# Altium PCB PCB_Smart_Door_Quach_Trung_An.PcbDoc
Units mil, origin at the board's own origin, x right, y up, seen from the top; angles counter-clockwise.
Board outline 4570.03 x 3120.03 mil, 2 copper layers (Top Layer, Bottom Layer); 52 components, 41 nets, 172 pads, 1 vias.
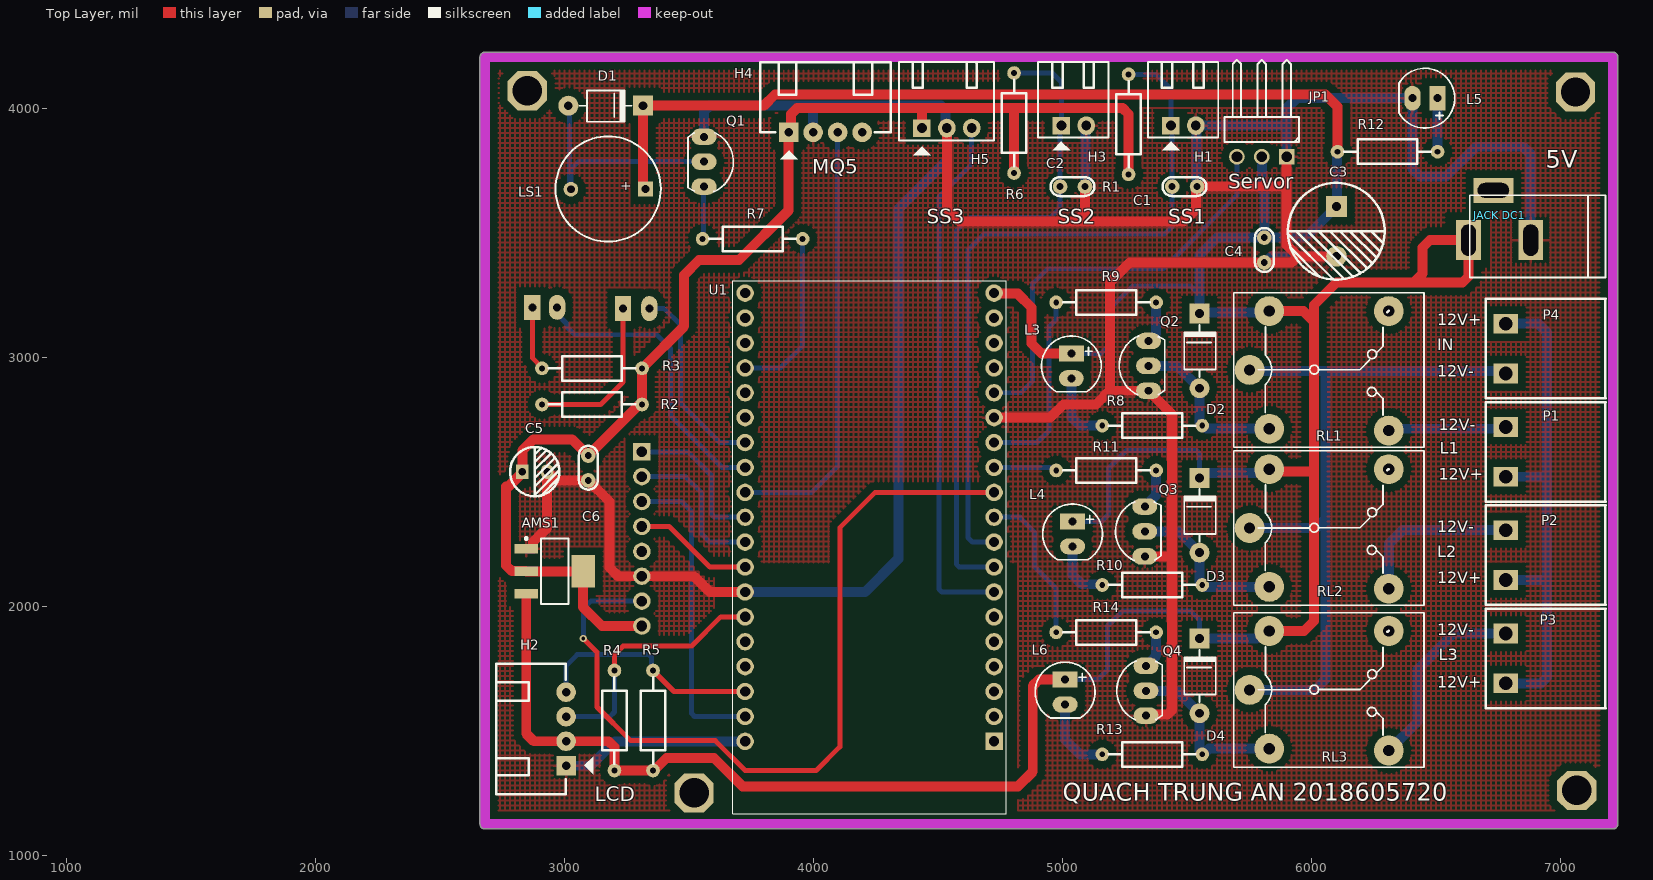
[diagram p0: Top Layer view]
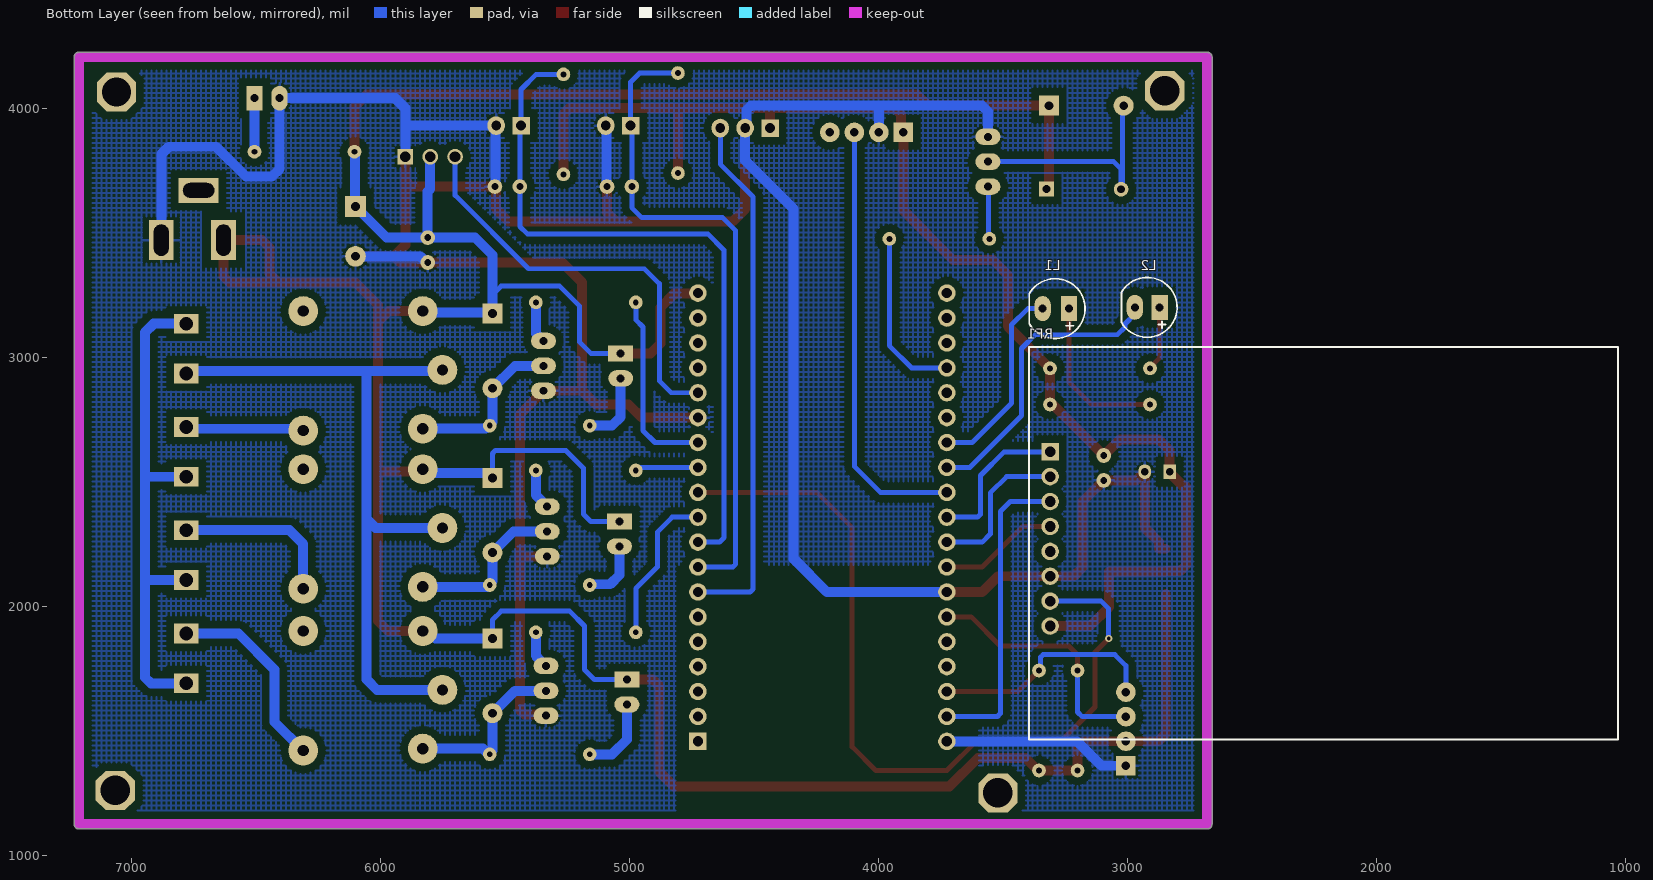
[diagram p1: Bottom Layer view, seen from below]

## Layer stack, top to bottom
Top Solder: solder mask 0.4, Solder Resist, Dk 3.5
Top Layer: signal copper 1.4
Dielectric 1: dielectric 12.6, FR-4, Dk 4.8
Bottom Layer: signal copper 1.4
Bottom Solder: solder mask 0.4, Solder Resist, Dk 3.5

## Board outline
2659.99,1125 2659.98,4205 cw(c2680,4205) 2680,4225.02 7210,4225.02 cw(c7210,4205) 7230.02,4205 7230.02,1125 cw(c7210,1125) 7210,1104.98 2680,1104.98 cw(c2680,1125)

## Design rules (kind name [scope] priority, off if disabled: settings)
Clearance pOLYGON [All vs InPolygon] p1: gap=30 ignorepadtopadclearanceinfootprint=FALSE
Clearance [All] p2: gap=8 ignorepadtopadclearanceinfootprint=FALSE
PolygonConnect [All] p1: connectstyle=Relief reliefconductorwidth=10 reliefentries=4 polygonreliefangle="90 Angle" airgapwidth=10
RoutingVias [All] p1: holewidth=28 width=50 viastyle="Through Hole" minholewidth=10 minwidth=20 maxholewidth=15 maxwidth=30
SolderMaskExpansion [All] p1: expansion=4 istentingtop=FALSE
Width [All] p1: maxlimit=40 minlimit=10 preferedwidth=20
30 further rules are at their usual default settings.

## Components (designator, comment, footprint, x,y, rotation, side; value= is the part's Value field where it differs from the comment)
AMS1 "AMS1117-3.3V" SOT223 2960,2140 r270 top value="AMS1117-3.3V SOT223"
C1 "104" "tu gom" 5490,3685 r0 top
C2 "104" "tu gom" 5040,3685 r0 top
C3 "1500uF" "tu hoa 10mm" 6100,3505 r270 top
C4 "104" "tu gom" 5810,3430 r270 top
C5 "100uF" "tu hoa 5mm" 2880,2540 r0 top
C6 "104" "tu gom" 3095,2555 r270 top
D1 "100v" "DIODE 1A" 2965,4010 r180 top
D2 "100v" "DIODE 1A" 5550,2825 r270 top
D3 "100v" "DIODE 1A" 5550,2165 r270 top
D4 "100v" "DIODE 1A" 5550,1520 r270 top
H1 "Header 2P 2.54 Duc Cong" "Header 2P DC 2.54" 5435,3930 r90 top
H2 "Header 4P 2.54 Duc Cong" "Header 4P DC 2.54" 3005,1360 r180 top
H3 "Header 2P 2.54 Duc Cong" "Header 2P DC 2.54" 4995,3930 r90 top
H4 "Header 4P 2.54 Duc Cong" "Header 4P DC 2.54" 3900.72,3904 r90 top
H5 "Header 3P 2.54 Duc Cong" "Header 3P DC 2.54" 4435,3920 r90 top
"JACK DC1" "JACK DC 5.5" "JACK DC 5.5" 6755,3570 r180 top value="Jac DC"
JP1 "JP 1x3 2.54" "JP 1x3 DC" 5650,3905 r180 top
L1 "LED 5mm" LED-5MM-Green 3240,3195 r0 bottom
L2 "LED 5mm" LED-5MM-RED 2870,3200 r0 bottom
L3 "LED 5mm" LED-5MM-RED 5035,3015 r270 top
L4 "LED 5mm" LED-5MM-RED 5040,2340 r270 top
L5 "LED 5mm" LED-5MM-RED 6505,4040 r180 top
L6 "LED 5mm" LED-5MM-RED 5010,1705 r270 top
LS1 "Coi Chip Speaker" "Coi Chip Speacker" 3325,3675 r180 top
P1 "CON 2 EDG5.08" "CON 2 2EDG5.08" 6780,2719.66 r270 top
P2 "CON 2 EDG5.08" "CON 2 2EDG5.08" 6780,2304.83 r270 top
P3 "CON 2 EDG5.08" "CON 2 2EDG5.08" 6780,1890 r270 top
P4 "CON 2 EDG5.08" "CON 2 2EDG5.08" 6780,3134.48 r270 top
Q1 "C1815" TO92 3560,3785 r270 top value=C9014
Q2 "C1815" TO92 5345,2965 r90 top value=C9014
Q3 "C1815" TO92 5330,2300 r90 top value=C9014
Q4 "C1815" TO92 5335,1660 r90 top value=C9014
R1 "10k" "tro vach 1/4w" 5265,3935 r90 top
R2 "220R" "tro vach 1/4w" 3110,2810 r180 top
R3 "220R" "tro vach 1/4w" 3110,2955 r180 top
R4 "10k" "tro vach 1/4w" 3200,1540.79 r90 top
R5 "10k" "tro vach 1/4w" 3355,1540.79 r90 top
R6 "10k" "tro vach 1/4w" 4805,3940 r90 top
R7 "220R" "tro vach 1/4w" 3755,3475 r180 top
R8 "220R" "tro vach 1/4w" 5360,2725 r180 top
R9 "220R" "tro vach 1/4w" 5175,3220 r0 top
R10 "220R" "tro vach 1/4w" 5360,2085 r180 top
R11 "220R" "tro vach 1/4w" 5175,2545 r0 top
R12 "220R" "tro vach 1/4w" 6305,3825 r0 top
R13 "220R" "tro vach 1/4w" 5360,1405 r180 top
R14 "220R" "tro vach 1/4w" 5175,1895 r0 top
RF1 "MOD RFID RC522" "MOD RFID RC522" 3310,2620 r270 bottom
RL1 "Relay" "Relay 5 Chan SRD" 5750.94,2948.78 r0 top
RL2 "Relay" "Relay 5 Chan SRD" 5750.94,2313.78 r0 top
RL3 "Relay" "Relay 5 Chan SRD" 5750.94,1663.78 r0 top
U1 "ESP32-DEVKITC-32D" MODULE_ESP32-DEVKITC-32D 4225,2235 r180 top

## Footprints (in the part's own frame and the unit in brackets; to place one, negate y for a bottom-side part, rotate by r counter-clockwise, add the part's x,y. Pads: shape width x height; smd on the part's side, far side on the other; paste and mask are expansions set on the pad)
"Coi Chip Speacker" [mm]
  rect 1.5x1.5 hole 0.8: 1(0,0)
  round 1.5 hole 0.8: 2(7.62,0.013)
  silkscreen extent -1.55,-5.38 9.18,5.36, body extent -2.22,-6 13.24,6, height 4.5
"CON 2 2EDG5.08" [mm]
  rect 2x2.5 hole 1.4: 1(0,0) 2(5.08,0)
  silkscreen extent -2.54,-2.03 7.62,10.21, body extent -2.5,-1.75 7.58,10.25, height 3.15
"DIODE 1A" [mil] "Diode 1A"
  round 80 hole 35: 1(-50,0)
  rect 80x80 hole 35: 2(-350,0)
  silkscreen extent -305,-61 -95,65, body extent -366,-61 -34,65, height 122
"Header 2P DC 2.54" [mil]
  rect 70x70 hole 39.37 unplated: 1(0,0)
  oval 75x70 hole 39.37 unplated: 2(0,-100)
  silkscreen extent -100,-190 255,93, body extent -50,-190 250,90, height 237
"Header 3P DC 2.54" [mil]
  rect 70x70 hole 39.37 unplated: 1(0,0)
  oval 75x70 hole 39.37 unplated: 2(0,-100) 3(0,-200)
  silkscreen extent -110,-290 265,93
"Header 4P DC 2.54" [mil]
  rect 78.74x78.74 hole 35: 1(-1,1)
  round 78.74 hole 35: 2(-1,-97.42) 3(-1,-195.85) 4(-1,-294.28)
  silkscreen extent -110,-409 280,115, body extent 5,-413 278,123, height 290
"JACK DC 5.5" [mil] "Jac DC input"
  rect 100x160 hole 59.06 slot 125.98 at 90 deg: 1(125,100) 2(-125,100)
  rect 160x100 hole 59.06 slot 125.98 at 0 deg: 3(25,-100)
  silkscreen extent -425,-80 120,250, body extent -410,-105 134,269, height 434
"JP 1x3 DC" [mm]
  rect 1.6x1.6 hole 1.1: 1(-6.35,2.54)
  round 1.6 hole 1.1: 2(-3.81,2.54) 3(-1.27,2.54)
  silkscreen extent -7.62,-7.34 0,1.04, body extent -7.62,-7.52 0,2.84, height 2.55
LED-5MM-Green [mil] "LED 2 PIN, 5 ly , Only colour,pin to pin 100mil"
  rect 65x100 hole 32: 1(-5,0)
  oval 65x100 hole 32: 2(100,0)
  silkscreen extent -70,-120 154,120, body extent -69,-120 145,117, height 339
LED-5MM-RED [mil] "LED 2 PIN, 5 ly , Only colour,pin to pin 100mil"
  rect 65x100 hole 32: 1(0,0)
  oval 65x100 hole 32: 2(100,0)
  silkscreen extent -70,-120 154,120, body extent -65,-119 149,118, height 339
"MOD RFID RC522" [mil] "RFID"
  rect 70x70 hole 43.31: 1(0,0)
  round 70 hole 43.31: 2(100,0) 3(200,0) 4(300,0) 5(400,0) 6(500,0) 7(600,0) 8(700,0)
  silkscreen extent -420,-85 1155,2280, body extent -420,-90 1155,2272, height 388
MODULE_ESP32-DEVKITC-32D [mil]
  rect 70x70 hole 40.94: 1(-500,777.95)
  round 70 hole 40.94: 2(-500,677.95) 3(-500,577.95) 4(-500,477.95) 5(-500,377.95) 6(-500,277.95) 7(-500,177.95) 8(-500,77.95) 9(-500,-22.05) 10(-500,-122.05) 11(-500,-222.05) 12(-500,-322.05) 13(-500,-422.05) 14(-500,-522.05) 15(-500,-622.05) 16(-500,-722.05) 17(-500,-822.05) 18(-500,-922.05) 19(-500,-1022.05) 20(500,777.95) 21(500,677.95) 22(500,577.95) 23(500,477.95) 24(500,377.95) 25(500,277.95) 26(500,177.95) 27(500,77.95) 28(500,-22.05) 29(500,-122.05) 30(500,-222.05) 31(500,-322.05) 32(500,-422.05) 33(500,-522.05) 34(500,-622.05) 35(500,-722.05) 36(500,-822.05) 37(500,-922.05) 38(500,-1022.05)
  silkscreen extent -549,-1073 549,1069, body extent -550,-1100 550,1069, height 428
"Relay 5 Chan SRD" [mil] "Relay SPDT, 5 pin, 10A,W 650mil, L 800mil, H 800mil"
  round 120 hole 45: 1(0,0) 2(559.06,236.22) 3(559.06,-243.78) 4(78.74,-236.22) 5(78.74,236.22)
  silkscreen extent -63,-311 700,310, body extent -55,-306 697,304, height 602
SOT223 [mm]
  rect 1x2.4 smd: 1(-2.3,-2.9) 2(0,-2.9) 3(2.3,-2.9)
  rect 3.3x2.4 smd: 4(0,2.9)
  silkscreen extent -3.47,-3.02 3.35,1.4, body extent -3.25,-3.56 3.25,3.4, height 1.68
TO92 [mil] "TO-92"
  oval 66x100 hole 32: 1(-100,0) 2(0,0) 3(100,0)
  silkscreen extent -117,-65 120,118, body extent -109,-66 109,95, height 245
"tro vach 1/4w" [mm]
  round 1.4 hole 0.6: 1(-5.1,0) 2(5.1,0)
  silkscreen extent -4.39,-1.25 4.42,1.25, body extent -5.38,-1.2 5.38,1.2, height 2.41
"tu gom" [mm] "Tu gom mini"
  round 1.5 hole 0.7: 1(-1.27,0) 2(1.27,0)
  silkscreen extent -2.25,-0.97 2.22,0.97, body extent -2.92,-0.85 2.92,0.85, height 6.12
"tu hoa 5mm" [mm]
  rect 1.3x1.5 hole 0.8: 1(-1.27,0)
  oval 1.3x1.5 hole 0.8: 2(1.27,0)
  silkscreen extent -2.51,-2.51 2.51,2.51, body extent -3.12,-3.18 3.23,3.18, height 14.55
"tu hoa 10mm" [mm]
  rect 2.1x2.1 hole 0.9: 1(-2.54,0)
  round 2.1 hole 0.9: 2(2.54,0)
  silkscreen extent -4.95,-4.96 4.93,4.92, body extent -5,-5 4.97,5, height 20.01

## Part data
AMS1: library part "AMS1117 SMD", "Dán", Chung_Loai=Dán, Don_Vi=Con, Ma_Hang=MH000596
C1 C2 C4 C6: library part "Tu gom 104 50V", "Cắm", Chung_Loai=Cắm, Don_Vi=Con, Ma_Hang=MH004761, So_Chan=2, Ten_Linh_Kien="Tụ gốm 104 100nF 50V"
C3: library part "Tu Hoa 1500uF 16V 10x20", "Cắm", Chung_Loai=Cắm, Don_Vi=Con, Ma_Hang=MH006603, So_Chan=2, Ten_Linh_Kien="Tụ Hóa 1500uF 16V 10x20MM"
C5: library part "Tu Hoa 100uF 16V 5x7", "Cắm", Chung_Loai=Cắm, Don_Vi=Con, Ma_Hang=MH001347, So_Chan=2, Ten_Linh_Kien="Tụ Hóa 100uF 16V 5x7MM"
D1 D2 D3 D4: library part "Diode 1N4007", "Cắm", Chung_Loai=Cắm, Don_Vi=Con, Ma_Hang=MH001063, Ten_Linh_Kien="Diode 1N4007 1A (DIP)"
H1 H2 H3 H4 H5 P1 P2 P3 P4: "Cắm", Chung_Loai=Cắm, Don_Vi=Con
  H1 H3: Ma_Hang=MH002852, Ten_Linh_Kien="Header 2P XH2.54-2P Đực Cong"
  H2 H4: Ma_Hang=MH001310, Ten_Linh_Kien="Header 4P XH2.54-4P Đực Cong"
  H5: Ma_Hang=MH001302, Ten_Linh_Kien="Header 3P XH2.54-3P Đực Cong"
  P1 P2 P3 P4: Ma_Hang=MH000759, Ten_Linh_Kien="CON 2 2EDG5.08-2P 5.08MM ( Xanh Cong)"
JP1: library part "JP 1x3 2.54 Duc Cong", "Cắm", Chung_Loai=Cắm, Don_Vi=Con, Ma_Hang=MH000904, Ten_Linh_Kien="Jump Đơn Đực 2.54MM 1x40P Cong Đứng"
L1: library part "LED 5mm Xanh La", "Cắm", Chung_Loai=Cắm, Don_Vi=Con, Ma_Hang=MH008969, Ten_Linh_Kien="LED 5MM Phủ Xanh (1000c)"
L2 L3 L4 L5 L6: library part "LED 5mm Do", "Cắm", Chung_Loai=Cắm, Don_Vi=Con, Ma_Hang=MH008967, Ten_Linh_Kien="Led 5MM Phủ Đỏ (1000c)"
LS1: "Còi chip"
Q1 Q2 Q3 Q4: "NPN transistor"
R1 R4 R5 R6: library part "Tro Vach 1/4W 5% 10k", "Căm", Chung_Loai=Cắm, Don_Vi=Con, Ma_Hang=MH007354, So_Chan=2, Ten_Linh_Kien="Trở Vạch 1/4w 5% 10K"
R2 R3 R7 R8 R9 R10 R11 R12 R13 R14: library part "Tro Vach 1/4W 5% 220R", "Cắm", Chung_Loai=Cắm, Don_Vi=Con, Ma_Hang=MH007300, So_Chan=2, Ten_Linh_Kien="Trở Vạch 1/4w 5% 220R"
RL1 RL2 RL3: library part "Relay 5 Chan SRD", "Relay 5 Chan", Ma_Hang=MH009374, Ten="Relay 5V10A SRD-05VDC-SL-C Chính Hãng"
U1: "EVAL BOARD FOR ESP-WROOM-32", Package=None, Availability=Warning, Check_prices=https://www.snapeda.com/parts/ESP32-DEVKITC-32D/Espressif%20Systems/view-part/2777395/?ref=eda, MF="Espressif Systems", MP=ESP32-DEVKITC-32D, Price=None, Purchase-URL=https://pricing.snapeda.com/search/part/ESP32-DEVKITC-32D/?ref=eda, SnapEDA_Link=https://www.snapeda.com/parts/ESP32-DEVKITC-32D/Espressif%20Systems/view-part/2777395/?ref=snap

## Free pads (board coordinates)
  oct 157.48x157.48 hole 118.11: 15(7060,4065) 16(7065,1260) 17(3520,1250) 18(2850,4070)

## Via types
v1: diameter 30, hole 15, Top Layer to Bottom Layer, 1 vias

## Nets (pads, with @x,y where several pads share a name; then routed paths per layer and width w, separated by ;. In a path a pad name is that pad's centre, name@x,y a point inside that pad or via, vN(x,y) a via of type N, cw(c..) or ccw(c..) an arc to the next point about the centre after c; other vN are vias at no path point)
3.3V: U1.1
3.3V_1: AMS1.2 AMS1.4 C5.1 C6.1 H4.1 H5.1 R1.1 R2.1 R3.1 R6.1 RF1.8 | length 5295.4
  Top Layer w40: RF1.8 3150,1920 3074.17,1995.83 AMS1.4 AMS1.2 2845.51,2140.31 2788.12,2140.31 2764.69,2163.75 2764.69,2479.69 2773.62,2479.69 2830,2536.06 C5.1 2830,2625 2875,2670 3030,2670 C6.1 3310.79,2820.79 R3.1 3480,3124.21 3480,3330 3540,3390 3700,3390 3899.72,3589.72 H4.1 3909.75,3913.02 3909.75,3976.57 3933.18,4000 4435,4000 ; H5.1 4435,4000 ; R6.1 4805,4000 ; R1.1 5265,3976.57 5241.57,4000 4805,4000 ; 4435,4000 4805,4000
5V: "JACK DC1.1" AMS1.3 C3.1 C4.1 D1.2 D2.2 D3.2 D4.2 H2.2 JP1.2 L3.1 L4.1 L6.1 LS1.1 R4.1 R5.1 R12.1 RL1.5 RL2.5 RL3.5 U1.19 | length 14874.6
  Top Layer w40: AMS1.3 2845.83,1487.6 2876.01,1457.42 H2.2 3176.57,1457.42 3200,1433.99 R4.1 R5.1 3359.09,1340 3409.09,1390 3600,1390 3715,1275 4820,1275 4880,1335 4880,1680 4905,1705 L6.1 ; LS1.1 3315,3685 D1.2 3330,4025 3330,4015 3335,4010 3800,4010 3845,4055 6055,4055 6104.21,4005.79 R12.1 ; U1.19@4730.74,3262.79 U1.19 4727.05,3255 4820,3255 4875,3200 4875,3055 4915,3015 L3.1 ; RL3.5 5970,1900 6010,1940 6010,2540 ; RL2.5 5839.69,2540 6010,2540 ; RL1.5 5966.57,3185 6010,3141.57 ; 6010,2540 6010,3141.57 ; 6010,3141.57 6010,3210 6100,3300 6410,3300 ; 6410,3300 6606.57,3300 6630,3323.43 6630,3470 6475,3470 6445,3440 6445,3335 6410,3300
  Bottom Layer w20: L6.1 5140,1705 5180,1745 5180,1920 5240,1980 5515,1980 5550,1945 D4.2 ; L3.1 5155,3015 5200,3060 5200,3205 5280,3285 5515,3285 5550,3250 ; L4.1 5155,2340 5185,2370 5185,2555 5255,2625 5538.28,2625 5550,2613.28 D3.2
  Bottom Layer w40: D4.2 5778.04,1870 5808.04,1900 RL3.5 ; D3.2 5570,2535 5570,2534.69 5814.38,2534.69 RL2.5 ; JP1.2 5800,3675 5810,3665 C4.1 ; RL1.5 5824.69,3180 5555,3180 D2.2 5550,3250 5550,3410 5620,3480 C4.1 ; R12.1 6102.11,3822.89 6102.11,3607.11 C3.1 5975,3480 C4.1
12V: P1.2 P2.2 P3.2 P4.1 | length 2072.8
  Bottom Layer w40: P3.2 6921.57,1690 6945,1713.43 6945,2105 ; P2.2 6944.83,2104.83 6945,2105 ; P1.2 6939.66,2519.66 6945,2525 ; P4.1 6910.52,3134.48 6945,3100 6945,2525 ; 6945,2105 6945,2525
GND: "JACK DC1.2" AMS1.1 C1.2 C2.2 C3.2 C4.2 C5.2 C6.2 H1.2 H2.1 H3.2 H4.2 H5.2 JP1.1 L5.2 Q1.1 Q2.1 Q3.1 Q4.1 RF1.6 U1.14 U1.20 U1.26 | length 15095.9
  Top Layer w40: AMS1.1 2872.76,2230.55 2873.07,2230.87 2873.07,2257.8 2930,2314.72 C5.2@2930,2539.09 ; C5.2 C5.2@2930,2539.09 ; U1.26 3582.95,2057.05 3520,2120 RF1.6 3215,2120 3180,2155 3180,2420 C6.2 2965,2505 2936.08,2533.92 2935.16,2533.92 C5.2@2930,2539.09 ; H5.2 4535,3595 4585,3545 5055,3545 ; U1.14 4950.08,2757.05 5003.04,2810 5134.5,2810 5189.5,2865 ; C2.2 5090,3580 5055,3545 ; Q3.1 5435,2200 5440,2205 ; Q4.1 5339.97,1564.97 5421.54,1564.97 5440,1583.43 5440,2205 ; JP1.1 5900,3708.43 ; C3.2 5945,3405 ; 5055,3545 5485,3545 5536.35,3596.35 5536.35,3681.35 C1.2 5876.57,3685 5900,3708.43 ; 5189.5,2865 5189.5,3299.5 5270,3380 C4.2 5920,3380 5945,3405 ; 5189.5,2865 Q2.1 5354.96,2865 5366.97,2852.99 5366.97,2843.03 5440,2770 5440,2205 ; 5900,3708.43 5900,3450 5945,3405
  Bottom Layer w40: H2.1 3104,1359 3202.05,1457.05 U1.20 ; Q1.1 3560,3986.57 3583.43,4010 4005,4010 ; U1.26 4207.05,2057.05 4340,2190 4340,3595 4535,3790 H5.2 4529.26,3925.74 4529.26,3992.31 4511.57,4010 4005,4010 ; H4.2 3998.15,4003.15 4005,4010 ; C2.2 5092.5,3687.5 5092.5,3927.5 H3.2 ; C1.2 5537.5,3687.5 5537.5,3927.5 H1.2 5895,3930 5900,3935 ; C4.2 5815.16,3380 5840.16,3405 C3.2 ; JP1.1 5900,3935 ; 6880,3470 6880,3815 6850,3845 6660,3845 6540,3725 6435,3725 6405,3755 L5.2 5940,4040 5900,4000 5900,3935 ; 6885,3485 6890,3480
GND_12V: P4.2 RL1.1 RL2.1 RL3.1 | length 2914.3
  Bottom Layer w40: RL3.1 6013.78,1663.78 6055,1705 6055,2350 ; RL2.1 6018.78,2313.78 6055,2350 ; RL1.1 5755.59,2944.13 6055,2944.13 ; P4.2 6770.35,2944.13 6055,2944.13 ; 6055,2350 6055,2944.13
LCD_SCL: H2.4 R5.2 U1.22 | length 932.6
  Top Layer w20: R5.2 3439.53,1657.05 U1.22
  Bottom Layer w20: H2.4 3006,1761 3050,1805 3338.28,1805 3348.28,1795 3348.28,1748.29 R5.2
LCD_SDA: H2.3 R4.2 U1.25 | length 1019.9
  Top Layer w20: R4.2 3200,1805 3235,1840 3510,1840 3627.05,1957.05 U1.25
  Bottom Layer w20: H2.3 3180.85,1555.85 3200,1575 R4.2
LED_DO: L2.2 U1.31 | length 1202.9
  Bottom Layer w20: L2.2 2970,3172.72 3009.31,3133.42 3009.31,3120.69 3040,3090 3370,3090 3425,3035 3425,2765 3632.95,2557.05 U1.31
LED_XL: L1.2 U1.32 | length 792.4
  Bottom Layer w20: L1.2 3400,3195 3465,3130 3465,2815 3622.95,2657.05 U1.32
LIGHT1: R9.1 U1.13 | length 767
  Bottom Layer w20: U1.13 4897.05,2657.05 4945,2705 4945,3120.79 4974.21,3150 R9.1
LIGHT2: R11.1 U1.12 | length 254.3
  Bottom Layer w20: U1.12 4952.66,2557.05 4964.71,2545 R11.1 R11.1@4974.21,2544.94
LIGHT3: R14.1 U1.10 | length 625.6
  Bottom Layer w20: U1.10 4827.95,2357.05 4887.95,2297.05 4887.95,2157.05 4974.21,2070.79 R14.1
MQ5_D: H4.3 U1.30 | length 1756.3
  Bottom Layer w20: U1.30 3992.05,2457.05 4096.57,2561.57 H4.3
NetD1_1: D1.1 LS1.2 Q1.2 | length 967.6
  Bottom Layer w20: D1.1 3020,4005 3020,3679.5 LS1.2 3025,3755 3055,3785 Q1.2
NetD2_1: D2.1 Q2.2 R8.1 RL1.4 | length 670.8
  Bottom Layer w40: Q2.2 5460,2965 D2.1 5550,2739.88 5560.79,2729.09 R8.1 5564.88,2725 5577.32,2712.56 RL1.4
NetD3_1: D3.1 Q3.2 R10.1 RL2.4 | length 661.7
  Bottom Layer w40: Q3.2 5465,2300 D3.1 5550,2099.88 5560.79,2089.09 R10.1 5564.88,2085 5572.32,2077.56 RL2.4
NetD4_1: D4.1 Q4.2 R13.1 RL3.4 | length 700
  Bottom Layer w40: Q4.2 5460,1660 D4.1 5550,1419.88 5560.79,1409.09 R13.1 5564.88,1405 5587.44,1427.56 RL3.4
NetL1_1: L1.1 R2.2 | length 658.1
  Top Layer w20: R2.2 3145,2810 3235,2900 L1.1
NetL2_1: L2.1 R3.2 | length 261.2
  Top Layer w20: L2.1 2870,2997.19 2909.21,2957.98 R3.2
NetL3_2: L3.2 R8.2 | length 293.7
  Bottom Layer w40: L3.2 5035,2760 5070,2725 R8.2
NetL4_2: L4.2 R10.2 | length 250.8
  Bottom Layer w40: L4.2 5040,2125 5077.11,2087.89 5156.32,2087.89 R10.2
NetL5_1: L5.1 R12.2 | length 215.3
  Bottom Layer w40: L5.1 6505.39,4039.61 6505.39,3825.39 R12.2
NetL6_2: L6.2 R13.2 | length 314.1
  Bottom Layer w40: L6.2 5010,1465 5070,1405 R13.2
NetP1_1: P1.1 RL1.3 | length 476.1
  Bottom Layer w40: RL1.3 6317.5,2712.5 6772.84,2712.5 P1.1
NetP2_1: P2.1 RL2.3 | length 672.9
  Bottom Layer w40: RL2.3 6310,2250 6365,2305 6779.83,2305 P2.1
NetP3_1: P3.1 RL3.3 | length 787.6
  Bottom Layer w40: RL3.3 6425,1535 6425,1744.84 6570.16,1890 P3.1
NetQ1_3: Q1.3 R7.2 | length 212.4
  Bottom Layer w20: R7.2 3557.11,3477.89 3557.11,3682.11 Q1.3
NetQ2_3: Q2.3 R9.2 | length 173.6
  Bottom Layer w40: Q2.3 5354.96,3065 5366.97,3077.01 5366.97,3086.97 5375.79,3095.79 R9.2
NetQ3_3: Q3.3 R11.2 | length 169.8
  Bottom Layer w40: Q3.3 5339.96,2400 5351.97,2412.01 5351.97,2421.97 5375.79,2445.79 R11.2
NetQ4_3: Q4.3 R14.2 | length 157.7
  Bottom Layer w40: Q4.3 5344.96,1760 5356.97,1772.01 5356.97,1781.97 5375.79,1800.79 R14.2
RFID_CLK: RF1.2 U1.28 | length 620.6
  Bottom Layer w20: RF1.2 3485,2520 3550,2455 3550,2290 3582.95,2257.05 U1.28
RFID_MISO: RF1.4 U1.27 | length 482.5
  Top Layer w20: RF1.4 3420,2320 3582.95,2157.05 U1.27
RFID_MOSI: RF1.3 U1.21 | length 1247.7
  Bottom Layer w20: RF1.3 3470,2420 3510,2380 3510,1568.76 3521.72,1557.05 U1.21
RFID_RST: RF1.7 U1.11 | length 3344
  Top Layer w20: v1(3075,1870) 3130,1815 3130,1595 3265,1460 3605,1460 3725,1340 4010,1340 4105,1435 4105,2315 4247.05,2457.05 U1.11
  Bottom Layer w20: v1(3075,1870) 3075,1990 3105,2020 RF1.7
RFID_SS: RF1.1 U1.29 | length 615.4
  Bottom Layer w20: RF1.1 3495,2620 3590,2525 3590,2368.76 3601.72,2357.05 U1.29
SERVO: JP1.3 U1.15 | length 1686.9
  Bottom Layer w20: U1.15 4832.05,2857.05 4880,2905 4880,3295 4940,3355 5405,3355 5700,3650 JP1.3
SPEAKER: R7.1 U1.35 | length 696.8
  Bottom Layer w20: U1.35 3867.05,2957.05 3955.79,3045.79 R7.1
SS1: C1.1 H1.1 R1.2 U1.9 | length 2874
  Bottom Layer w20: U1.9 4637.95,2257.05 4620,2275 4620,3430 4685,3495 5410,3495 5440,3525 C1.1 5440,3925 H1.1 5435,4075 5374.21,4135.79 R1.2
SS2: C2.1 H3.1 R6.2 U1.8 | length 2663.2
  Bottom Layer w20: U1.8 4584.67,2157.05 4572.95,2168.76 4572.95,3507.95 4625,3560 4950,3560 4990,3600 C2.1 4990,3925 H3.1 4995,4105 4959.21,4140.79 R6.2
SS3: H5.3 U1.7 | length 2132.8
  Bottom Layer w20: H5.3 4635,3775 4502.95,3642.95 4502.95,2068.76 4514.67,2057.05 U1.7
pads on no net: "JACK DC1.3" H4.4 RF1.5 RL1.2 RL2.2 RL3.2 U1.2 U1.3 U1.4 U1.5 U1.6 U1.16 U1.17 U1.18 U1.23 U1.24 U1.33 U1.34 U1.36 U1.37 U1.38

## Polygon pours and split planes (outlines as drawn)
GND on Bottom Layer "gnd top" (hatched 90Degree grid 20 track 8, remove dead copper, pour order 0): 2680,4205 7205,4205 7205,1125 2680,1125
GND on Top Layer "gnd top" (hatched 90Degree grid 20 track 8, remove dead copper, pour order 1): 2680,4205 7210,4205 7210,1125 2680,1125

## Keep-outs
Keep-Out Layer:
  lines w40: 2680,1125 2680,4205 7210,4205 7210,1125 2680,1125

## Other copper
Top Layer:
  pour cut-out: 3600,1165 4820,1165 4820,2175 3600,2175
Bottom Layer:
  pour cut-out: 3595,1140 3595,2165 4815,2165 4815,1155

## Silkscreen, mask and mechanical layers (free items; w line width, h text height)
Top Overlay:
  text "5V" at 6940,3736.64 h120
  text "MQ5" at 3995.1,3716.4 h100
  text "Servor" at 5665,3656.37 h100
  text "SS3" at 4455,3516.37 h100
  text "SS2" at 4980,3516.37 h100
  text "SS1" at 5425,3516.37 h100
  text "12V+" at 6505,3111.09 h80
  text "IN" at 6505,3011.09 h80
  text "12V-" at 6505,2906.09 h80
  text "12V-" at 6510,2691.09 h80
  text "L1" at 6515,2595 h80
  text "12V+" at 6510,2491.09 h80
  text "12V-" at 6505,2281.09 h80
  text "L2" at 6505,2180 h80
  text "12V+" at 6505,2076.09 h80
  text "12V-" at 6505,1866.09 h80
  text "L3" at 6510,1766.02 h80
  text "12V+" at 6505,1656.09 h80
  text "LCD" at 3120,1196.37 h100
  text "QUACH TRUNG AN 2018605720" at 5000,1194.67 h120

## Text inside footprints (layer, text, board x,y; h text height)
LS1: Top Overlay "+" at 3269.5,3703 h40 r180